# Altium PCB RTM_4SFP_3QSFP.PcbDoc (part 4 of 4)
Units mm, origin at the board's own origin, x right, y up, seen from the top; angles counter-clockwise.
Board outline 182.55 x 148.55 mm, 4 copper layers (L1, P2, P3, L4), stack 1.58 mm thick; 277 components, 253 nets, 1307 pads, 553 vias.
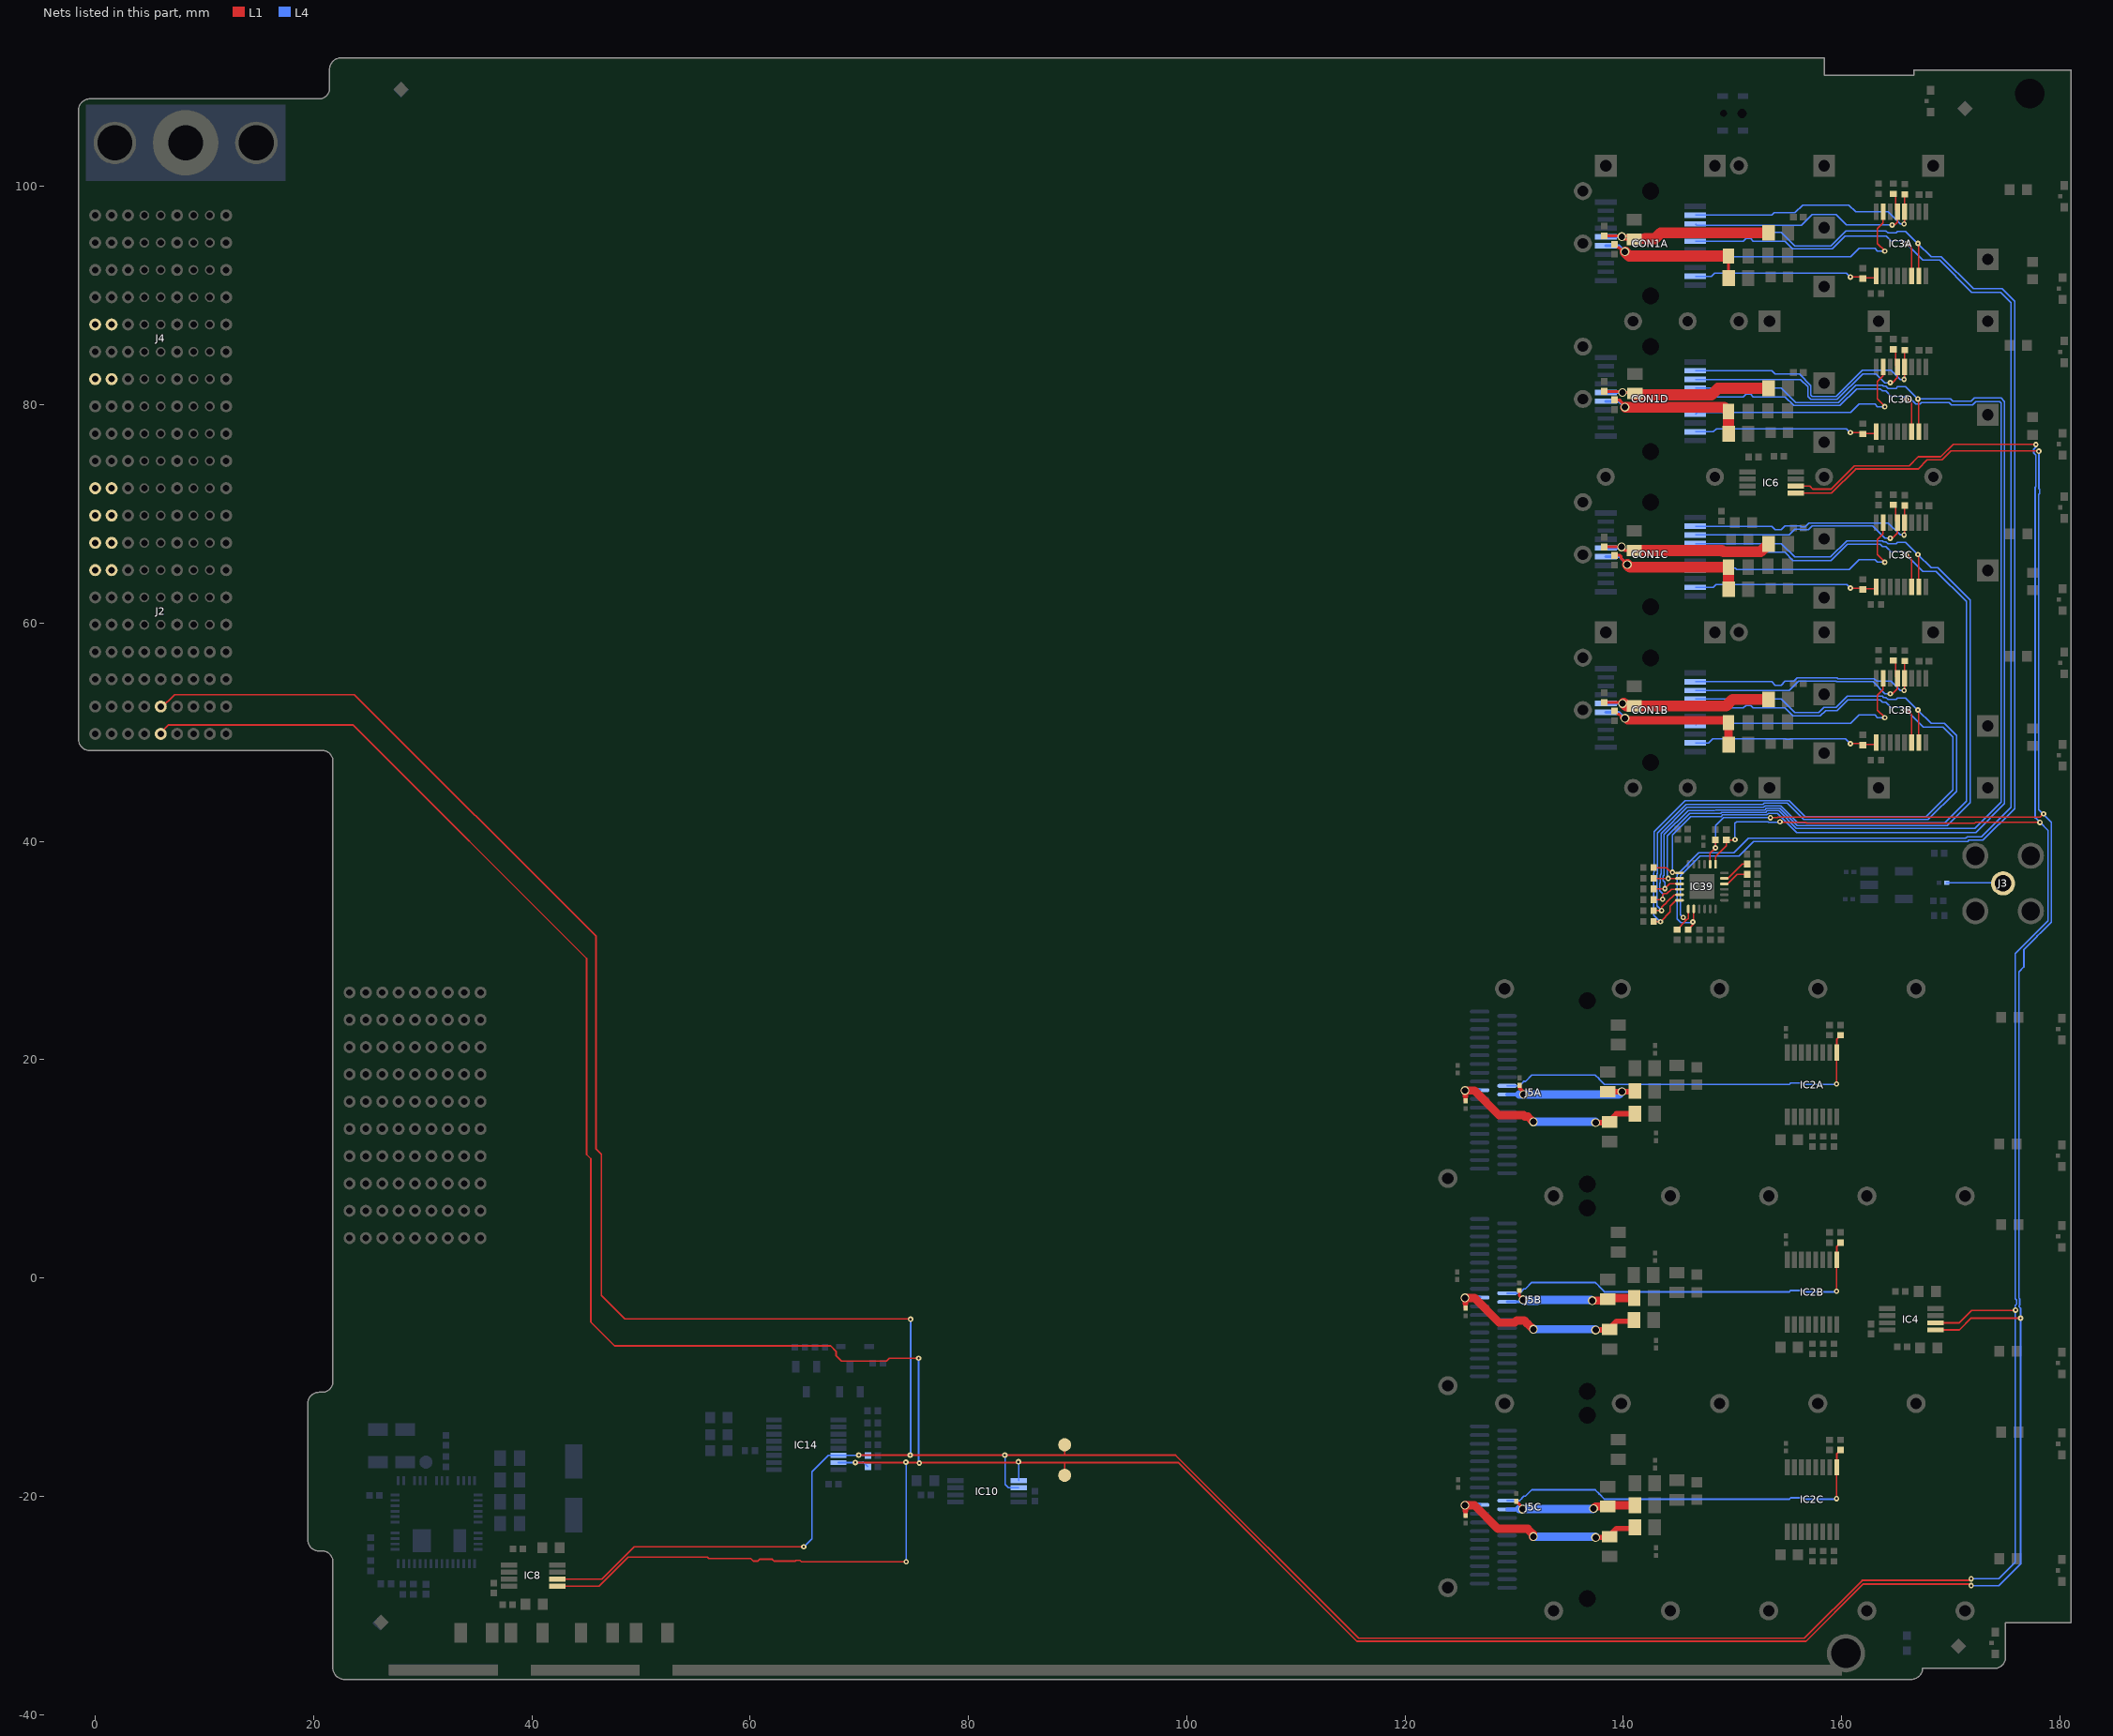
[diagram p6: the nets of this part, all layers, seen from the top]

## Via types
v1: diameter 0.5, hole 0.2, L1 to L4, tented both sides, 260 vias
v2: diameter 0.6, hole 0.4, L1 to L4, tented both sides, 124 vias
v3: diameter 0.8, hole 0.6, L1 to L4, tented both sides, 120 vias
v4: diameter 0.3, hole 0.1, L1 to L4, tented both sides, 38 vias
v5: diameter 0.6, hole 0.4, L1 to L4, 5 vias
v6: diameter 0.66, hole 0.33, L1 to L4, tented both sides, 4 vias
v7: diameter 0.8, hole 0.4, L1 to L4, 2 vias

## Nets (pads, with @x,y where several pads share a name; then routed paths per layer and width w, separated by ;. In a path a pad name is that pad's centre, name@x,y a point inside that pad or via, vN(x,y) a via of type N, cw(c..) or ccw(c..) an arc to the next point about the centre after c; other vN are vias at no path point) (continued)
QSFP_VCCRXA: C33A.1 C34A.1 FB2A.2 J5A.10 | length 14.4
  L1 w0.35: C34A.1@130.516,17.633 130.516,17.368 130.985,16.899 131.084,16.8 v3(130.886,16.8)
  L1 w0.5: C33A.1@138.582,17.058 139.878,17.058 140.987,17.058 FB2A.2@141.061,17.131
  L4 w0.35: J5A.10@129.355,16.8 130.459,16.8
  L4 w0.762: 130.459,16.8 v3(130.886,16.8) 139.609,16.8 v3(139.878,17.069)
QSFP_VCCRXB: C33B.1 C34B.1 FB2B.2 J5B.10 | length 13.1
  L1 w0.254: C34B.1@130.479,-1.163 130.479,-1.644 v3(130.835,-2)
  L1 w0.762: v3(137.16,-2.083) 138.582,-2.083 C33B.1@138.836,-2.083 ; C33B.1@138.582,-1.942 138.67,-1.854 FB2B.2@141.01,-1.854
  L4 w0.254: J5B.10@129.355,-2.2 130.635,-2.2 v3(130.835,-2)
  L4 w0.762: v3(130.835,-2) 130.938,-2.103 132.126,-2.103 132.229,-2 137.077,-2 v3(137.16,-2.083)
QSFP_VCCRXC: C33C.1 C34C.1 FB2C.2 J5C.10 | length 12.4
  L1 w0.254: C34C.1@130.203,-20.467 130.551,-20.815 v3@130.551,-20.878
  L1 w0.762: v3(137.287,-21.133) 137.478,-20.942 C33C.1@138.582,-20.942 138.697,-20.828 FB2C.2@141.061,-20.828
  L4 w0.35: J5C.10@129.355,-21.2 v3@130.459,-21.2
  L4 w0.762: v3@130.459,-21.2 130.475,-21.184 v3(130.785,-21.184) 137.203,-21.184 137.22,-21.2 v3(137.287,-21.133)
QSFP_VCCTXA: C41A.1 C42A.1 FB3A.2 J5A.29 | length 19.4
  L1 w0.4: C42A.1@125.552,16.225 125.552,16.65
  L1 w0.5: v3(125.489,17.17) 125.552,17.107 125.552,16.65 ; v3@131.739,14.3 v3(131.775,14.3) ; v3(137.465,14.224) 138.552,14.224 138.687,14.359 139.365,15.037 FB3A.2@141.061,15.037
  L1 w0.762: v3(125.489,17.17) 126.365,17.17 128.63,14.905 130.891,14.905 131.009,14.787 131.253,14.787 v3@131.739,14.3
  L4 w0.35: v3@125.742,17.2 J5A.29@126.845,17.2
  L4 w0.5: v3(125.489,17.17) 125.519,17.2 v3@125.742,17.2
  L4 w0.762: v3(131.775,14.3) v3@137.465,14.3
QSFP_VCCTXB: C41B.1 C42B.1 FB3B.2 J5B.29 | length 19.6
  L1 w0.4: C42B.1@125.552,-2.774 125.552,-2.35
  L1 w0.5: v3(125.489,-1.83) 125.552,-1.893 125.552,-2.35 ; v3@131.739,-4.7 v3(131.775,-4.7) ; v3(137.465,-4.776) 138.552,-4.776 138.687,-4.641 139.365,-3.963 140.984,-3.963 FB3B.2@141.061,-3.963
  L1 w0.762: v3(125.489,-1.83) 126.365,-1.83 128.63,-4.095 130.043,-4.095 130.247,-3.891 130.916,-3.891 131.238,-4.213 131.253,-4.213 v3@131.739,-4.7
  L4 w0.35: v3@125.742,-1.8 J5B.29@126.845,-1.8
  L4 w0.5: v3(125.489,-1.83) 125.519,-1.8 v3@125.742,-1.8
  L4 w0.762: v3(131.775,-4.7) v3@137.465,-4.7
QSFP_VCCTXC: C41C.1 C42C.1 FB3C.2 J5C.29 | length 19.6
  L1 w0.4: C42C.1@125.552,-21.775 125.552,-21.773 125.552,-21.35
  L1 w0.5: v3(125.489,-20.83) 125.552,-20.893 125.552,-21.35 ; v3@131.739,-23.7 v3(131.775,-23.7) ; v3(137.465,-23.776) 138.552,-23.776 138.687,-23.641 139.365,-22.963 FB3C.2@141.061,-22.963
  L1 w0.762: v3(125.489,-20.83) 126.365,-20.83 128.524,-22.989 131.244,-22.989 131.718,-23.462 131.718,-23.678 v3@131.739,-23.7
  L4 w0.35: v3@125.742,-20.8 J5C.29@126.845,-20.8
  L4 w0.5: v3(125.489,-20.83) 125.519,-20.8 v3@125.742,-20.8
  L4 w0.762: v3(131.775,-23.7) v3@137.465,-23.7
ResetLA: IC2A.9 J5A.9 R13A.2 | length 35.7
  L1 w0.152: v1(159.537,17.78) 159.537,20.612 IC2A.9@159.575,20.65 159.575,21.905 R13A.2@159.9,22.23
  L4 w0.152: J5A.9@129.355,17.6 130.516,17.6 130.715,17.799 130.715,17.837 130.878,18 131.041,18 131.627,18.586 137.435,18.586 137.789,18.233 137.789,18.206 138.266,17.729 155.225,17.729 155.348,17.852 156.561,17.852 156.684,17.729 159.487,17.729 v1(159.537,17.78)
ResetLB: IC2B.9 J5B.9 R13B.2 | length 35.7
  L1 w0.152: v1(159.537,-1.22) 159.537,1.612 IC2B.9@159.575,1.65 159.575,2.905 R13B.2@159.9,3.23
  L4 w0.152: J5B.9@129.355,-1.4 130.516,-1.4 130.715,-1.201 130.715,-1.163 130.878,-1 131.041,-1 131.627,-0.414 137.435,-0.414 137.789,-0.767 137.789,-0.794 138.266,-1.271 155.225,-1.271 155.348,-1.148 156.561,-1.148 156.684,-1.271 159.487,-1.271 v1(159.537,-1.22)
ResetLC: IC2C.9 J5C.9 R13C.2 | length 35.7
  L1 w0.152: v1(159.537,-20.22) 159.537,-17.388 IC2C.9@159.575,-17.35 159.575,-16.095 R13C.2@159.9,-15.77
  L4 w0.152: J5C.9@129.355,-20.4 130.516,-20.4 130.715,-20.201 130.715,-20.163 130.878,-20 131.041,-20 131.627,-19.414 137.435,-19.414 137.789,-19.767 137.789,-19.794 138.266,-20.271 155.225,-20.271 155.348,-20.148 156.561,-20.148 156.684,-20.271 159.487,-20.271 v1(159.537,-20.22)
RS0A: CON1A.7 IC3A.7 | length 22
  L1 w0.127: IC3A.7@163.825,97.7 163.796,97.7 163.796,96.651 163.284,96.139 163.284,94.784 163.961,94.106 v1(163.961,94.075)
  L4 w0.127: CON1A.7@146.6,93.375 146.777,93.552 160.826,93.552 161.59,94.316 163.059,94.316 163.3,94.075 v1(163.961,94.075)
RS0B: CON1B.7 IC3B.7 | length 22
  L1 w0.127: IC3B.7@163.825,54.95 163.796,54.95 163.796,53.901 163.284,53.389 163.284,52.034 163.961,51.356 v1(163.961,51.325)
  L4 w0.127: CON1B.7@146.6,50.625 146.777,50.802 160.826,50.802 161.59,51.565 163.059,51.565 163.3,51.325 v1(163.961,51.325)
RS0C: CON1C.7 IC3C.7 | length 22.1
  L1 w0.127: IC3C.7@163.825,69.2 163.796,69.2 163.796,68.172 163.284,67.661 163.284,66.284 163.961,65.606 v1(163.961,65.575)
  L4 w0.127: CON1C.7@146.6,64.875 146.777,65.052 150.25,65.052 150.385,64.918 160.692,64.918 161.59,65.815 163.059,65.815 163.3,65.575 v1(163.961,65.575)
RS0D: CON1D.7 IC3D.7 | length 22
  L1 w0.127: IC3D.7@163.825,83.45 163.796,83.45 163.796,82.65 163.284,82.139 163.284,80.534 163.961,79.856 v1(163.961,79.825)
  L4 w0.127: CON1D.7@146.6,79.125 146.777,79.302 160.826,79.302 161.59,80.065 163.059,80.065 163.3,79.825 v1(163.961,79.825)
RS1RA: CON1A.9 IC3A.9 R38A.1 | length 17
  L1 w0.127: v1(160.81,91.7) 161.82,91.7 R38A.1@161.949,91.571 161.999,91.621 162.997,91.621 IC3A.9@163.175,91.8
  L4 w0.127: CON1A.9@146.6,91.775 148.078,91.775 148.357,92.054 160.457,92.054 v1(160.81,91.7)
RS1RB: CON1B.9 IC3B.9 R38B.1 | length 17.1
  L1 w0.127: v1(160.81,48.95) 161.82,48.95 R38B.1@161.949,48.821 161.999,48.871 162.997,48.871 IC3B.9@163.175,49.05
  L4 w0.127: CON1B.9@146.6,49.025 147.8,49.025 148.188,49.412 154.856,49.412 154.907,49.361 155.293,49.361 155.344,49.412 160.348,49.412 v1(160.81,48.95)
RS1RC: CON1C.9 IC3C.9 R38C.1 | length 17
  L1 w0.127: v1(160.81,63.2) 161.82,63.2 R38C.1@161.949,63.071 161.999,63.121 162.997,63.121 IC3C.9@163.175,63.3
  L4 w0.127: CON1C.9@146.6,63.275 148.228,63.275 148.494,63.541 160.469,63.541 v1(160.81,63.2)
RS1RD: CON1D.9 IC3D.9 R38D.1 | length 17
  L1 w0.127: v1(160.81,77.45) 161.82,77.45 R38D.1@161.949,77.321 161.999,77.371 162.997,77.371 IC3D.9@163.175,77.55
  L4 w0.127: CON1D.9@146.6,77.525 148.253,77.525 148.532,77.804 160.457,77.804 v1(160.81,77.45)
RTM_FPGA_GTP_Rx0_N: J2.B8
RTM_FPGA_GTP_Rx0_P: J2.A8
RTM_FPGA_GTP_Rx1_N: J2.B7
RTM_FPGA_GTP_Rx1_P: J2.A7
RTM_FPGA_GTP_Tx0_N: J2.B10
RTM_FPGA_GTP_Tx0_P: J2.A10
RTM_FPGA_GTP_Tx1_N: J2.B9
RTM_FPGA_GTP_Tx1_P: J2.A9
RTM_FPGA_LVDS1_N: J4.B6
RTM_FPGA_LVDS1_P: J4.A6
RTM_FPGA_LVDS2_N: J4.B4
RTM_FPGA_LVDS2_P: J4.A4
SCL: IC4.2 IC6.2 IC8.2 IC10.6 IC14.14 IC39.19 J2.D2 R31.2 R325.1 TP3.1 | length 451
  L1 w0.127: IC39.19@148.46,37.905 148.46,38.609 149.455,39.604 R325.1@149.455,40.13 150.214,40.13 v1(150.241,40.157) ; v1(154.356,41.783) 154.373,41.766 156.708,41.766 156.804,41.67 172.2,41.67 172.263,41.732 v1(178.181,41.732)
  L1 w0.152: J2.D2@6,52.35 6,52.175 7.266,53.442 23.749,53.442 45.891,31.3 45.891,11.806 46.373,11.323 46.373,-1.593 48.539,-3.759 74.676,-3.759 v1(74.701,-3.785) ; IC8.2@42.325,-27.599 46.411,-27.599 49.372,-24.638 v1(64.922,-24.638) ; v1(69.952,-16.231) v1(74.676,-16.231) v1(83.337,-16.231) 88.824,-16.231 ; TP3.1@88.824,-15.289 88.824,-16.231 ; IC6.2@155.794,72.548 157.094,72.548 157.378,72.263 159.045,72.263 161.175,74.393 166.189,74.393 167.03,75.235 169.091,75.235 170.234,76.378 177.781,76.378 v1(177.8,76.359) ; IC4.2@168.593,-4.11 170.791,-4.11 171.929,-2.972 175.92,-2.972 v1(175.946,-2.946) ; v1(171.882,-27.563) 171.733,-27.711 161.891,-27.711 156.582,-33.02 115.769,-33.02 98.98,-16.231 88.824,-16.231
  L4 w0.127: v1(150.241,40.157) 150.241,41.644 150.38,41.783 153.286,41.783 153.32,41.749 154.322,41.749 v1(154.356,41.783)
  L4 w0.152: v1(64.922,-24.638) 65.659,-23.901 65.659,-17.766 67.161,-16.264 IC14.14@68.086,-16.264 70.782,-16.264 R31.2@70.788,-16.258 ; v1(74.676,-16.231) 74.701,-16.205 v1(74.701,-3.785) ; v1(83.337,-16.231) 83.362,-16.255 83.362,-18.923 83.668,-19.229 IC10.6@84.618,-19.229 ; v1(171.882,-27.563) 174.422,-27.563 175.92,-26.064 175.92,-2.519 176.043,-2.396 176.043,-2.021 175.92,-1.898 175.92,29.714 178.918,32.711 178.918,40.996 v1(178.181,41.732) 177.749,42.164 177.749,72.46 177.796,72.507 177.796,75.381 177.622,75.555 177.622,75.931 177.796,76.104
SDA: IC4.1 IC6.1 IC8.1 IC10.5 IC14.15 IC39.20 J2.D1 R32.2 R324.1 TP4.1 | length 459.2
  L1 w0.127: TP4.1@88.824,-18.085 88.824,-16.914 ; IC39.20@147.96,37.905 147.96,38.909 v1(148.45,39.399) R324.1@148.45,40.13 ; v1(153.492,42.164) 154.15,42.164 154.184,42.198 178.19,42.198 v1(178.511,42.52)
  L1 w0.152: J2.D1@6,49.85 6,49.967 6.706,50.673 23.622,50.673 45.027,29.268 45.027,11.305 45.408,10.924 45.408,-4.057 47.574,-6.223 67.385,-6.223 67.873,-6.711 67.873,-7.107 68.386,-7.62 72.513,-7.62 72.767,-7.366 v1(75.438,-7.366) ; IC8.1@42.325,-28.249 46.156,-28.249 48.826,-25.578 56.103,-25.578 56.226,-25.701 60.061,-25.701 60.315,-25.955 60.691,-25.955 60.864,-25.781 62.033,-25.781 62.207,-25.955 64.133,-25.955 64.201,-25.887 64.577,-25.887 64.7,-26.01 v1(74.311,-26.01) ; v1(69.647,-16.914) 88.824,-16.914 99.232,-16.914 115.618,-33.299 156.734,-33.299 161.992,-28.042 171.733,-28.042 v1(171.882,-28.19) ; IC6.1@155.794,71.898 159.074,71.898 161.29,74.114 167.005,74.114 167.847,74.955 169.207,74.955 170.019,75.768 178.05,75.768 v1(178.075,75.743) ; IC4.1@168.593,-4.76 170.805,-4.76 171.882,-3.683 v1(176.403,-3.683)
  L4 w0.127: v1(148.45,39.399) 148.45,41.433 149.181,42.164 153.32,42.164 v1@153.374,42.11
  L4 w0.152: IC14.15@68.086,-16.914 v1(69.647,-16.914) 70.28,-16.914 70.347,-16.847 R32.2@70.788,-17.289 ; v1(74.27,-16.883) 74.311,-16.924 v1(74.311,-26.01) ; v1(75.438,-7.366) 75.438,-16.891 v1(75.514,-16.967) ; v1(84.582,-16.847) 84.618,-16.883 IC10.5@84.618,-18.579 ; v1(171.882,-28.19) 174.422,-28.19 176.399,-26.213 176.399,-2.759 176.251,-2.61 176.251,-2.584 176.323,-2.512 176.323,-1.905 176.251,-1.833 176.251,28.036 176.704,28.489 176.704,30.066 177.906,31.268 177.906,31.303 178.171,31.568 178.206,31.568 179.222,32.585 179.222,41.736 178.054,42.904 178.054,71.775 178.151,71.872 178.151,72.248 178.054,72.344 178.054,72.37 178.075,72.391 v1(178.075,75.743)
SFP_I2C_0.SCL: CON1D.5 IC3D.14 IC39.2 R317.1 | length 109.4
  L1 w0.127: R317.1@142.791,36.605 144.12,36.605 IC39.2@145.16,36.605 ; v1(165.95,80.5) 166.06,80.5 166.425,80.135 IC3D.14@166.425,77.55
  L4 w0.127: v1(144.12,36.601) 144.035,36.686 144.035,40.499 146.081,42.545 148.916,42.545 149.026,42.655 153.047,42.655 153.199,42.808 154.241,42.808 155.851,41.198 172.208,41.198 174.616,43.605 174.616,80.164 174.49,80.291 172.311,80.291 172.015,79.995 170.056,79.995 169.851,80.2 167.328,80.2 167.192,80.064 166.806,80.064 166.37,80.5 v1(165.95,80.5) 165.675,80.775 164.525,80.775 164.04,81.26 163.767,81.26 163.561,81.465 161.381,81.465 159.837,79.921 155.629,79.921 154.825,80.725 151.903,80.725 151.663,80.966 151.237,80.966 150.997,80.725 CON1D.5@146.6,80.725
SFP_I2C_0.SDA: CON1D.4 IC3D.15 IC39.1 R316.1 | length 109.4
  L1 w0.127: R316.1@142.791,37.6 143.968,37.6 v1@144.454,37.114 ; v1@144.501,37.105 IC39.1@145.16,37.105 ; v1(166.999,80.53) 167.075,80.454 IC3D.15@167.075,77.55
  L4 w0.127: v1(144.501,37.16) 144.501,40.569 146.197,42.266 148.959,42.266 149.121,42.427 153.142,42.427 153.294,42.579 154.147,42.579 155.909,40.817 172.294,40.817 174.946,43.469 174.946,80.301 174.626,80.621 172.174,80.621 171.878,80.325 170.193,80.325 169.988,80.53 v1(166.999,80.53) 165.878,81.65 165.128,81.65 164.984,81.506 164.256,81.506 164.069,81.693 163.848,81.693 163.749,81.792 161.313,81.792 159.721,80.2 155.812,80.2 154.488,81.525 CON1D.4@146.6,81.525
SFP_I2C_1.SCL: CON1C.5 IC3C.14 IC39.4 R319.1 | length 89.2
  L1 w0.127: R319.1@142.791,34.655 v1@143.54,34.655 ; v1(143.612,34.7) 143.612,35.077 143.73,35.196 144.008,35.196 144.417,35.605 IC39.4@145.16,35.605 ; v1(165.95,66.25) 166.06,66.25 166.425,65.885 IC3C.14@166.425,63.3
  L4 w0.127: v1(143.612,34.7) 143.637,34.725 143.637,35.181 143.349,35.469 143.349,36.177 143.374,36.202 143.374,36.91 143.476,37.012 143.476,40.73 145.85,43.104 148.277,43.104 148.285,43.112 152.857,43.112 153.01,43.265 154.431,43.265 155.99,41.706 168.034,41.706 168.049,41.721 169.481,41.721 171.45,43.689 171.45,61.962 168.668,64.745 167.455,64.745 v1(165.95,66.25) 165.675,66.525 164.525,66.525 164.04,67.01 163.767,67.01 163.561,67.215 160.519,67.215 159.038,65.735 155.566,65.735 154.825,66.475 151.903,66.475 151.663,66.716 151.237,66.716 150.997,66.475 CON1C.5@146.6,66.475
SFP_I2C_1.SDA: CON1C.4 IC3C.15 IC39.3 R318.1 | length 88.4
  L1 w0.127: R318.1@142.791,35.645 v1@143.784,35.645 ; v1@143.808,35.669 144.244,36.105 IC39.3@145.16,36.105 ; v1(166.999,66.28) 167.075,66.204 IC3C.15@167.075,63.3
  L4 w0.127: v1(143.815,35.662) 143.815,36.247 143.654,36.408 143.654,36.794 143.755,36.896 143.755,40.614 145.965,42.824 148.392,42.824 148.452,42.884 152.952,42.884 153.105,43.036 154.336,43.036 155.946,41.426 168.15,41.426 168.165,41.441 169.669,41.441 171.78,43.552 171.78,62.099 168.804,65.075 168.204,65.075 v1(166.999,66.28) 165.878,67.4 165.128,67.4 164.984,67.256 164.256,67.256 164.069,67.443 163.848,67.443 163.749,67.542 160.487,67.542 159.006,66.062 155.701,66.062 154.488,67.275 CON1C.4@146.6,67.275
SFP_I2C_2.SCL: CON1B.5 IC3B.14 IC39.6 R321.1 | length 76.4
  L1 w0.127: R321.1@142.791,32.65 143.408,32.65 v1@143.419,32.65 ; v1(143.408,32.639) v1@143.419,32.65 ; IC39.6@145.16,34.605 144.841,34.605 144.297,34.062 144.297,33.528 v1@143.419,32.65 ; v1(165.95,52) 166.06,52 166.425,51.635 IC3B.14@166.425,49.05
  L4 w0.127: v1(143.408,32.639) 142.79,33.257 142.79,37.116 142.85,37.176 142.85,40.894 145.678,43.722 155.197,43.722 156.654,42.265 167.731,42.265 170.193,44.727 170.193,49.572 169.293,50.472 167.478,50.472 v1(165.95,52) 165.675,52.275 164.525,52.275 164.04,52.76 163.767,52.76 163.561,52.965 160.591,52.965 159.605,51.98 158.55,51.98 158.055,51.484 155.566,51.484 154.825,52.225 151.903,52.225 151.663,52.465 151.237,52.465 150.997,52.225 CON1B.5@146.6,52.225
SFP_I2C_2.SDA: CON1B.4 IC3B.15 IC39.5 R320.1 | length 75.5
  L1 w0.127: R320.1@142.791,33.655 v1(143.51,33.655) 143.51,33.949 143.796,34.234 143.805,34.234 144.077,34.507 144.077,34.516 144.666,35.105 IC39.5@145.16,35.105 ; v1(166.999,52.03) 167.075,51.954 IC3B.15@167.075,49.05
  L4 w0.127: v1(143.51,33.655) 143.07,34.095 143.07,37 143.129,37.06 143.129,40.778 145.743,43.392 150.04,43.392 150.049,43.383 152.805,43.383 152.915,43.493 155.03,43.493 156.539,41.985 167.918,41.985 170.523,44.59 170.523,49.709 169.43,50.802 168.227,50.802 v1(166.999,52.03) 165.878,53.15 165.128,53.15 164.984,53.006 164.256,53.006 164.069,53.193 163.848,53.193 163.749,53.292 160.523,53.292 159.49,52.259 158.367,52.259 157.919,51.811 155.701,51.811 154.488,53.025 CON1B.4@146.6,53.025
SFP_I2C_3.SCL: CON1A.5 IC3A.14 IC39.8 R323.1 | length 122.6
  L1 w0.127: R323.1@145.935,31.915 v1@146.46,32.44 ; v1@146.46,32.614 IC39.8@146.46,33.805 ; v1(165.95,94.75) 166.06,94.75 166.425,94.385 IC3A.14@166.425,91.8
  L4 w0.127: v1(146.38,32.614) 146.321,32.554 145.298,32.554 144.95,32.902 144.95,36.951 146.932,38.933 150.137,38.933 151.477,40.273 171.378,40.273 171.537,40.431 172.831,40.431 175.526,43.126 175.526,89.355 174.572,90.309 171.935,90.309 169,93.245 167.455,93.245 v1(165.95,94.75) 165.675,95.025 164.525,95.025 164.087,95.462 160.338,95.462 159.158,94.282 155.518,94.282 154.825,94.975 151.903,94.975 151.663,95.216 151.237,95.216 150.997,94.975 CON1A.5@146.6,94.975
SFP_I2C_3.SDA: CON1A.4 IC3A.15 IC39.7 R322.1 | length 122.4
  L1 w0.127: R322.1@144.928,31.915 145.762,32.749 ; v1(145.491,33.02) 145.762,32.749 ; IC39.7@145.96,33.805 145.96,32.947 145.762,32.749 ; v1(166.999,94.78) 167.075,94.704 IC3A.15@167.075,91.8
  L4 w0.127: v1(145.491,33.02) 145.237,33.274 145.237,36.843 147.048,38.653 150.591,38.653 151.931,39.993 171.566,39.993 171.673,40.101 172.968,40.101 175.857,42.989 175.857,89.491 174.708,90.64 172.072,90.64 169.137,93.575 168.204,93.575 v1(166.999,94.78) 165.878,95.9 165.128,95.9 164.984,95.756 164.256,95.756 164.069,95.943 160.423,95.943 159.042,94.562 155.701,94.562 154.488,95.775 CON1A.4@146.6,95.775
SFP_I2C_7.SCL: IC39.17 R336.1 | length 2.7
  L1 w0.127: IC39.17@149.26,36.605 149.585,36.605 150.88,37.9 150.88,37.92 R336.1@151.37,37.92
SFP_I2C_7.SDA: IC39.16 R335.1 | length 2.5
  L1 w0.127: IC39.16@149.26,36.105 149.585,36.105 150.458,36.978 R335.1@151.36,36.978
SFP_VCCRA: C12A.1 C13A.1 CON1A.15 FB1A.2 | length 15
  L1 w0.254: C13A.1@139.2,94.7 139.511,94.389 139.626,94.389 139.789,94.226 139.789,94.111 139.91,93.99 v3@140.16,93.99 ; FB1A.2@149.65,91.6 C12A.1@149.65,93.625
  L1 w1.016: v3@140.185,93.99 140.55,93.625 C12A.1@149.65,93.625
  L4 w0.254: CON1A.15@138.4,94.575 139.61,94.575 v3(140.16,94.025)